# KiCad board The Typeuwu.kicad_pcb (continued)
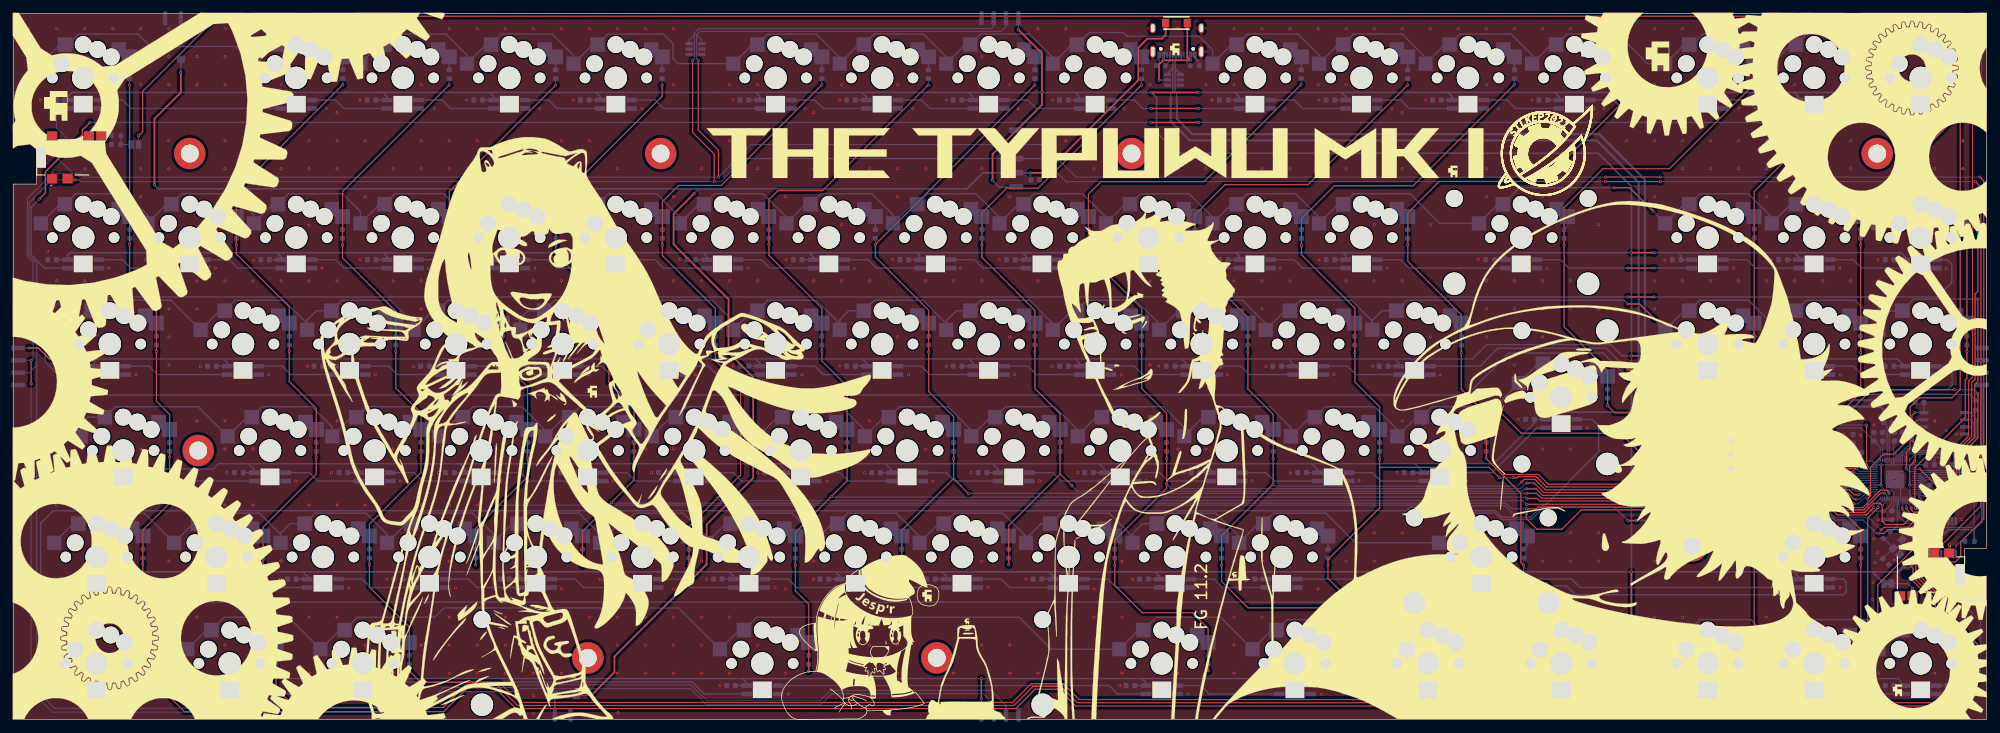
[diagram p0: board, top side]
## Routing (per net, layer and track width the routed paths; a pad name or vN(x,y) marks a point on that pad's centre or on a via; arc(x,y) is an arc through that point) (continued)
/Controller/VBUS: length 18.6
  Top w0.3: 209.8,117.65 205.25,117.65 v1(205.2,117.7) 204.4,116.9 v1(204.4,114.1) ; v1(210,117.65) 209.44,118.22 D01.2
  Bottom w0.3: v1(205.2,117.7) J1.A4 ; v1(210,117.65) J1.A9 ; v1(204.4,114.1) 205.68,114.1
GND: length 10.4
  Bottom w0.2: v1(211.3,117.6) 210.8,118.1 J1.A12 ; J1.A1 204.4,117.22 R6.2 ; v1(322.95,48.6) U203.2 v1(325.1,48.6) ; U201.19 336.65,41.85 ; 336.65,41.85 v1(335.65,42.85) ; 336.65,41.85 v1(336.9,41.6) ; v1(342.7,46.2) C12.2
  vias: v1(2.78,123.28) v1(2.78,118.28) v1(2.78,113.28) v1(2.78,108.28) v1(2.78,3.28) v1(4.85,110.55) v1(6.15,83.55) v1(7.3,25.1) v1(7.25,6.05) v1(7.78,123.28) v1(7.78,78.28) v1(7.78,58.27) v1(7.78,38.27) v1(7.78,18.28) v1(7.78,8.28) v1(9.65,63.1) v1(12,44.1) v1(12.78,123.28) v1(12.78,98.28) v1(12.78,78.28) v1(12.78,38.27) v1(12.78,3.28) v1(17.05,80.55) v1(17.25,109.05) v1(17.77,123.28) v1(17.77,98.28) v1(17.77,78.28) v1(17.77,38.27) v1(17.77,28.27) v1(17.77,8.28) v1(17.77,3.28) v1(19.5,23.55) v1(19.5,4.55) v1(21.9,61.55) v1(22.77,123.28) v1(22.77,113.28) v1(22.77,98.28) v1(22.77,93.28) v1(22.77,48.27) v1(22.77,38.27) v1(22.77,3.28) v1(23.7,82.05) v1(24.15,42.55) v1(27.77,123.28) v1(27.77,118.28) v1(27.77,113.28) v1(27.77,103.28) v1(27.77,98.28) v1(27.77,78.28) v1(27.77,73.28) v1(27.77,68.28) v1(27.77,63.27) v1(27.77,28.27) v1(27.77,18.28) v1(27.77,13.28) v1(27.77,8.28) v1(28.65,25.05) v1(31.05,6.05) v1(32.77,123.28) v1(32.77,118.28) v1(32.77,113.28) v1(32.77,78.28) v1(32.77,73.28) v1(32.77,53.27) v1(32.77,38.27) v1(32.77,28.27) v1(32.77,18.28) v1(32.77,8.28) v1(32.77,3.28) v1(33.4,63) v1(36.05,80.55) v1(37.77,123.28) v1(37.77,118.28) v1(37.77,113.28) v1(37.77,103.28) v1(37.77,98.28) v1(37.77,78.28) v1(37.77,53.27) v1(37.77,48.27) v1(37.77,38.27) v1(37.77,13.28) v1(38.1,44.05) v1(40.9,23.55) v1(42.77,123.28) v1(42.77,113.28) v1(42.8,110.55) v1(42.77,103.28) v1(42.77,93.28) v1(42.77,78.28) v1(42.77,48.27) v1(42.77,38.27) v1(42.77,23.27) v1(42.77,8.28) v1(42.77,3.28) v1(42.9,82) v1(43.3,4.55) v1(45.6,61.55) v1(47.7,25.05) v1(47.77,123.28) v1(47.77,113.28) v1(47.77,98.28) v1(47.77,78.28) v1(47.77,28.27) v1(50.4,42.55) v1(52.5,63.05) v1(52.77,123.28) v1(52.77,103.28) v1(52.77,98.28) v1(52.77,88.28) v1(52.77,78.28) v1(52.77,38.27) v1(52.77,18.28) v1(52.77,8.28) v1(52.77,3.28) v1(54.75,6.05) v1(55.05,80.55) v1(55.85,109.05) v1(56.75,44.05) v1(57.77,123.28) v1(57.77,108.28) v1(57.77,103.28) v1(57.77,98.28) v1(57.77,78.28) v1(57.77,53.27) v1(57.77,38.27) v1(57.77,18.28) v1(57.77,8.28) v1(57.77,3.28) v1(59.85,23.5) v1(61.85,110.55) v1(61.9,82.05) v1(62.77,123.28) v1(62.77,103.28) v1(62.77,93.28) v1(62.77,68.28) v1(62.77,38.27) v1(62.77,13.28) v1(64.6,61.55) v1(66.65,25.05) v1(67.05,4.55) v1(67.78,123.28) v1(67.78,98.28) v1(67.78,78.28) v1(67.78,48.27) v1(67.78,8.28) v1(67.78,3.28) v1(69.05,42.55) v1(71.45,63) v1(72.78,123.28) v1(72.78,113.28) v1(72.78,103.28) v1(72.78,98.28) v1(72.78,78.28) v1(72.78,73.28) v1(72.78,38.27) v1(72.78,13.28) v1(74.05,80.5) v1(75.1,109) v1(75.85,44.05) v1(77.78,123.28) v1(77.78,103.28) v1(77.78,98.28) v1(77.78,78.28) v1(77.78,38.27) v1(77.78,28.27) v1(77.78,18.28) v1(77.78,13.28) v1(77.78,8.28) v1(78.9,23.5) v1(80.85,82.05) v1(80.9,110.55) v1(82.78,123.28) v1(82.78,103.28) v1(82.78,93.28) v1(82.78,68.28) v1(82.78,38.27) v1(82.78,13.28) v1(82.78,8.28) v1(83.65,61.55) v1(85.65,25.05) v1(87.78,123.28) v1(87.78,98.28) v1(87.78,78.28) v1(87.78,18.28) v1(87.78,13.28) v1(87.78,8.28) v1(88.05,42.45) v1(90.5,63) v1(92.78,123.28) v1(92.78,103.28) v1(92.78,98.28) v1(92.78,78.28) v1(92.78,18.28) v1(92.78,13.28) v1(92.78,8.28) v1(92.8,4.3) v1(92.8,1) v1(93.05,80.55) v1(93.95,109.05) v1(94.8,44.05) v1(97.78,123.28) v1(97.78,103.28) v1(97.78,98.28) v1(97.78,78.28) v1(97.78,23.27) v1(97.78,18.28) v1(97.78,13.28) v1(97.78,8.28) v1(98.5,4.2) v1(99.9,110.55) v1(99.95,82.1) v1(101.1,1.1) v1(102.65,61.5) v1(102.78,123.28) v1(102.78,103.28) v1(102.78,18.28) v1(104.7,25) v1(107.05,42.55) v1(107.78,123.28) v1(107.78,98.28) v1(107.78,78.28) v1(107.78,63.27) v1(107.78,18.28) v1(107.78,13.28) v1(107.78,8.28) v1(107.9,1.2) v1(109.45,63.1) v1(112,80.55) v1(112.15,109.05) v1(112.78,123.28) v1(112.78,78.28) v1(112.78,48.27) v1(112.78,18.28) v1(112.78,13.28) v1(112.78,8.28) v1(113.85,44.05) v1(117.78,123.28) v1(117.78,113.28) v1(117.78,93.28) v1(117.78,78.28) v1(117.78,48.27) v1(117.78,23.27) v1(117.78,18.28) v1(117.78,13.28) v1(117.78,8.28) v1(118.95,82.05) v1(121.65,61.5) v1(122.78,98.28) v1(122.78,78.28) v1(122.78,28.27) v1(122.78,18.28) v1(122.78,13.28) v1(122.78,8.28) v1(123.65,25.05) v1(126.1,6.05) v1(127.78,113.28) v1(127.78,103.28) v1(127.78,78.28) v1(127.78,28.27) v1(127.78,18.28) v1(127.78,8.28) v1(128.4,110.6) v1(128.45,63.1) v1(131.05,80.55) v1(132.78,113.28) v1(132.78,98.28) v1(132.78,78.28) v1(132.78,48.27) v1(132.8,44.05) v1(132.78,13.28) v1(135.9,23.55) v1(137.78,98.28) v1(137.78,93.28) v1(137.78,23.27) v1(137.78,8.28) v1(137.9,82.05) v1(138.25,4.55) v1(140.7,61.5) v1(141.25,109) v1(142.78,108.28) v1(142.78,98.28) v1(142.78,78.28) v1(142.78,28.27) v1(142.8,25.05) v1(145.15,42.55) v1(147.45,110.55) v1(147.5,63.1) v1(147.78,113.28) v1(147.78,88.28) v1(147.78,78.28) v1(147.78,13.28) v1(147.78,8.28) v1(150,80.5) v1(151.85,44.05) v1(152.78,98.28) v1(152.78,78.28) v1(152.78,53.27) v1(152.78,13.28) v1(152.78,8.28) v1(154.9,23.55) v1(156.85,82.1) v1(157.78,113.28) v1(157.78,98.28) v1(157.78,93.28) v1(157.78,68.28) v1(157.78,13.28) v1(157.78,8.28) v1(159.7,61.55) v1(160.5,109) v1(161.7,25.05) v1(162.78,98.28) v1(162.78,78.28) v1(162.78,48.27) v1(164.05,42.55) v1(166.45,110.55) v1(166.45,63.05) v1(167.78,78.28) v1(167.78,8.28) v1(169,80.55) v1(170.85,44.05) v1(172.78,118.28) v1(172.78,98.28) v1(172.78,78.28) v1(172.78,28.27) v1(172.78,13.28) v1(173.9,23.55) v1(175.9,82.05) v1(177.78,113.28) v1(177.78,93.28) v1(177.78,68.28) v1(177.78,13.28) v1(177.78,8.28) v1(178.6,61.55) v1(179.25,108.95) v1(180.65,25.05) v1(182.78,123.28) v1(182.78,78.28) v1(182.78,8.28) v1(183.1,42.6) v1(185.35,110.55) v1(185.35,63.05) v1(187.78,123.28) v1(187.78,103.28) v1(187.78,78.28) v1(187.78,18.28) v1(187.78,8.28) v1(188.1,80.55) v1(189.9,44.05) v1(192.78,98.28) v1(192.78,78.28) v1(192.78,23.27) v1(192.78,18.28) v1(192.78,8.28) v1(194.9,82.05) v1(197.4,6.05) v1(197.7,61.55) v1(197.78,28.27) v1(197.78,18.28) v1(197.78,8.28) v1(198.15,109.05) v1(199.7,25.05) v1(202.1,42.65) v1(202.78,113.28) v1(202.78,103.28) v1(202.78,98.28) v1(202.78,78.28) v1(202.78,63.27) v1(204.35,63.1) v1(207.05,80.55) v1(207.78,123.28) v1(207.78,103.28) v1(207.78,98.28) v1(207.78,78.28) v1(207.78,48.27) v1(207.78,8.28) v1(208.85,44) v1(209.6,4.55) v1(212.78,113.28) v1(212.78,98.28) v1(212.78,48.27) v1(212.78,23.27) v1(213.85,110.55) v1(213.85,82.1) v1(216.6,61.5) v1(217.78,123.28) v1(217.78,113.28) v1(217.78,98.28) v1(217.78,78.28) v1(217.78,28.27) v1(217.78,18.28) v1(217.78,13.28) v1(217.78,8.28) v1(218.7,25.05) v1(221,42.6) v1(221,6.05) v1(222.78,123.28) v1(222.78,98.28) v1(222.78,78.28) v1(222.78,73.28) v1(222.78,28.27) v1(222.78,18.28) v1(222.78,8.28) v1(223.45,63) v1(226,80.55) v1(226.8,109) v1(227.78,123.28) v1(227.78,98.28) v1(227.78,78.28) v1(227.78,48.27) v1(227.8,44) v1(227.78,13.28) v1(232.78,123.28) v1(232.78,113.28) v1(232.78,23.27) v1(232.78,8.28) v1(232.9,110.55) v1(232.95,82) v1(233.35,4.5) v1(235.6,61.55) v1(237.78,123.28) v1(237.78,113.28) v1(237.78,98.28) v1(237.78,78.28) v1(237.78,28.27) v1(240.05,42.6) v1(242.45,63.05) v1(242.78,123.28) v1(242.78,98.28) v1(242.78,88.28) v1(242.78,78.28) v1(242.78,33.27) v1(242.78,28.27) v1(242.78,23.27) v1(242.78,8.28) v1(244.8,6.1) v1(245.05,80.55) v1(245.9,109) v1(246.85,44.1) v1(247.78,123.28) v1(247.78,108.28) v1(247.78,98.28) v1(247.78,78.28) v1(247.78,53.27) v1(247.78,33.27) v1(247.78,28.27) v1(247.78,8.28) v1(251.95,110.55) v1(252.78,123.28) v1(252.78,88.28) v1(252.78,68.28) v1(252.78,28.27) v1(252.78,13.28) v1(254.5,61.5) v1(254.7,25.05) v1(257.05,4.55) v1(257.43,98.24) v1(257.77,123.28) v1(257.77,48.27) v1(257.77,8.28) v1(259.25,42.55) v1(261.35,82.1) v1(262.77,123.28) v1(262.77,113.28) v1(262.77,98.28) v1(262.77,93.28) v1(262.77,78.28) v1(262.77,73.28) v1(262.77,68.28) v1(262.77,58.27) v1(262.77,13.28) v1(262.77,8.28) v1(264.9,109) v1(266.6,23.5) v1(267.77,123.28) v1(267.77,98.28) v1(267.77,78.28) v1(267.77,73.28) v1(267.77,63.27) v1(267.77,18.28) v1(267.77,8.28) v1(268.45,53.6) v1(268.55,6.05) v1(270.95,110.55) v1(272.77,123.28) v1(272.77,98.28) v1(272.77,93.28) v1(272.77,78.28) v1(272.77,73.28) v1(272.77,68.28) v1(272.77,48.27) v1(272.77,28.27) v1(272.77,8.28) v1(273.6,80.5) v1(277.77,123.28) v1(277.77,98.28) v1(277.77,78.28) v1(277.77,73.28) v1(277.77,48.27) v1(277.77,33.27) v1(277.77,28.27) v1(280.75,52.05) v1(280.75,4.55) v1(282.77,123.28) v1(282.77,88.28) v1(282.77,73.28) v1(282.77,33.27) v1(282.77,28.27) v1(282.77,8.28) v1(283.75,109.05) v1(287.77,123.28) v1(287.77,103.28) v1(292.77,123.28) v1(292.77,113.28) v1(292.77,103.28) v1(292.77,93.28) v1(292.77,78.28) v1(292.77,73.28) v1(292.77,63.27) v1(292.77,53.27) v1(292.77,48.27) v1(292.77,43.27) v1(292.77,33.27) v1(292.77,28.27) v1(292.77,18.28) v1(292.77,8.28) v1(294.65,82) v1(294.55,63.1) v1(294.7,110.6) v1(294.7,6.05) v1(297.77,123.28) v1(297.77,103.28) v1(297.77,98.28) v1(297.77,78.28) v1(297.77,18.28) v1(297.77,8.28) v1(300.15,44.95) v1(302.77,123.28) v1(302.77,103.28) v1(302.77,98.28) v1(302.77,78.28) v1(302.77,53.27) v1(302.77,33.27) v1(302.77,28.27) v1(302.77,13.28) v1(303.25,44.95) v1(306.85,80.55) v1(306.9,4.5) v1(307,61.55) v1(307.77,123.28) v1(307.77,103.28) v1(307.77,98.28) v1(307.77,78.28) v1(307.77,33.27) v1(307.77,28.27) v1(307.77,8.28) v1(307.85,109.1) v1(308.4,48.45) v1(312.77,123.28) v1(312.77,113.28) v1(312.77,103.28) v1(312.77,98.28) v1(312.77,93.28) v1(312.77,78.28) v1(312.77,28.27) v1(312.77,18.28) v1(312.77,8.28) v1(313.15,53.85) v1(313.65,110.55) v1(313.55,82) v1(313.7,63) v1(313.7,25.05) v1(313.7,6) v1(317.77,123.28) v1(317.77,113.28) v1(317.77,103.28) v1(317.77,98.28) v1(317.77,78.28) v1(317.77,48.27) v1(317.77,28.27) v1(317.77,18.28) v1(317.77,8.28) v1(319.6,48.4) v1(322.6,40.85) v1(322.77,123.28) v1(322.77,103.28) v1(322.77,98.28) v1(322.77,78.28) v1(325.8,80.55) v1(325.9,61.5) v1(325.85,23.6) v1(325.85,4.55) v1(326.5,50.85) v1(326.95,109.05) v1(326.95,46.1) v1(327.77,123.28) v1(327.77,103.28) v1(327.77,98.28) v1(327.77,78.28) v1(327.77,8.28) v1(329.55,50.75) v1(331.75,24.45) v1(331.7,21.35) v1(331.9,52.55) v1(331.9,32.25) v1(332.1,28) v1(332.65,110.6) v1(332.65,82.05) v1(332.55,29.75) v1(332.65,6.05) v1(332.7,63.05) v1(332.7,35.65) v1(332.77,123.28) v1(332.77,113.28) v1(332.77,78.28) v1(332.77,73.28) v1(332.77,8.28) v1(334.4,44.1) v1(334.4,41.6) v1(334.35,35.65) v1(335.5,28.45) v1(335.5,18.5) v1(336.9,44.1) v1(337.05,52.55) v1(337.77,123.28) v1(337.77,103.28) v1(337.77,78.28) v1(337.95,33.05) v1(342.77,123.28) v1(342.77,98.28) v1(342.77,88.28) v1(342.77,83.28) v1(342.77,78.28) v1(342.77,53.27) v1(342.77,8.28) v1(344.45,61.55) v1(344.5,41.85) v1(344.8,80.5) v1(344.8,51.55) v1(344.9,109.05) v1(344.85,4.55) v1(345.4,31.2) v1(346.65,50.95) v1(347.6,35.7) v1(347.77,123.28) v1(347.77,103.28) v1(347.77,98.28) v1(347.77,18.28)
/Controller/QSPI_SCLK: length 8.6
  Bottom w0.2: U201.52 336.65,47.11 337.97,48.43 338.63,48.43 339.45,49.25 339.45,51.83 339.84,52.22 U202.6
/Controller/QSPI_SD0: length 6.7
  Bottom w0.2: U202.5 340.85,50.05 338.9,48.1 338.1,48.1 337.05,47.05 U201.53
/Controller/QSPI_SD1: length 18.4
  Bottom w0.2: U202.2 349.09,53.48 349.73,52.85 349.73,50.23 347.17,47.67 339.4,47.67 339.17,47.45 338.37,47.45 337.85,46.92 U201.55
/Controller/QSPI_SD2: length 16.8
  Bottom w0.2: U202.3 349.04,52.22 349.3,51.95 349.3,50.48 346.82,48 339.26,48 339.04,47.77 338.24,47.77 337.45,46.99 U201.54
/Controller/QSPI_SD3: length 10.1
  Bottom w0.2: U201.51 336.25,47.17 337.83,48.76 338.43,48.76 338.98,49.3 338.98,52.73 339.74,53.48 U202.7
/Controller/QSPI_SS: length 24.3
  Bottom w0.2: R3.2 349.58,54.75 U202.1 349.07,54.75 350.12,53.7 350.12,49.95 345.82,45.65 R2.2 ; 347.07,46.9 346.63,47.35 339.53,47.35 339.31,47.12 339.08,47.12 U201.56
/Controller/RUN: length 39.7
  Top w0.2: v1(338,35.6) 337.2,34.8 333.95,34.8 333.4,35.35 v1(333.4,38.2) 333,38.6 331.85,38.6 330.2,36.95 326.25,36.95 v1(325.3,37.9)
  Bottom w0.2: v1(325.3,37.9) 324.5,38.7 316.15,38.7 311.55,43.3 SW2.2 ; R8.2 340.68,35.6 v1(338,35.6) ; v1(333.4,38.2) 333.85,38.65 U201.26
/Controller/SWCLK: length 35.9
  Top w0.2: v1(334.6,40.4) 334.6,40.55 334.2,40.95 333.1,40.95 329.95,37.8 327.55,37.8 326.15,39.2 v1(326.15,39.35)
  Bottom w0.2: J2.1 306.46,49.85 310.6,49.85 320.5,39.95 325.55,39.95 v1(326.15,39.35) ; v1(334.6,40.4) 334.65,40.35 U201.24
/Controller/SWD: length 35.8
  Top w0.2: v1(333.8,40.4) 333.1,40.4 330.1,37.4 326.9,37.4 v1(325.7,38.6)
  Bottom w0.2: v1(333.8,40.4) 334.25,39.95 U201.25 ; J2.3 306.45,44.8 309.95,48.3 311.25,48.3 320.24,39.31 324.99,39.31 v1(325.7,38.6)
/Controller/~{USB_BOOT}: length 37.7
  Top w0.2: v1(318.45,58.05) v1(318.45,53.8)
  Bottom w0.2: v1(318.45,58.05) 318.5,58 349.02,58 R3.1 ; SW1.2 v1(318.45,53.8)
COL1: length 495.2
  Top w0.2: v1(20.75,113.25) 20.77,113.22 v1(20.77,84.8) 20.77,79.5 25.55,74.72 v1(25.55,65.67) 25.55,56.8 27.9,54.45 v1(27.9,46.77) 27.9,38.6 23.12,33.83 v1(23.12,27.73) v1(23.12,8.83) 30.55,1.4 76.8,1.4 81.05,5.65 85.95,5.65 89.65,1.95 178.85,1.95 182.3,5.4 186.55,5.4 189.55,2.4 346.1,2.4 350.45,6.75 350.45,13.35 343.9,19.9 343.9,21.83 340.4,25.33 340.4,30.07 342.35,32.02 342.35,38.85 341.3,39.9 v1(341,39.9)
  Bottom w0.2: v1(27.9,46.77) D29.1 ; v1(23.12,27.73) 23.12,28.79 D42.1 ; D55.1 23.15,8.85 v1(23.12,8.83) ; D1.1 20.77,85.84 v1(20.77,84.8) ; U201.13 339.6,40.65 340.35,39.9 v1(341,39.9) ; v1(25.55,65.67) D15.1 ; D90.1 v1(20.75,113.25)
COL2: length 484.2
  Top w0.2: v1(341,38.75) 341.95,37.8 341.95,32.3 339.9,30.25 339.9,25.15 343.4,21.65 343.4,19.55 349.5,13.45 349.5,6.7 345.8,3 189.8,3 186.9,5.9 181.9,5.9 178.5,2.5 89.95,2.5 86.3,6.15 80.7,6.15 76.7,2.15 50.35,2.15 46.9,5.6 v1(46.9,8.75) 46.9,16.47 44.55,18.83 v1(44.55,27.67) 44.55,34.3 54.05,43.8 v1(54.05,46.77) 54.05,55.52 49.25,60.33 v1(49.25,65.72) 49.25,73.65 39.8,83.1 v1(39.8,84.67) 39.8,94.28 v1(58.8,113.28)
  Bottom w0.2: v1(341,38.75) 340.95,38.75 339.45,40.25 U201.14 ; v1(39.8,84.67) D2.1 ; v1(44.55,27.67) D43.1 ; v1(49.25,65.72) D16.1 ; v1(54.05,46.77) D30.1 ; D91.1 v1(58.8,113.28) ; v1(46.9,8.75) D56.1
COL3: length 431.4
  Top w0.2: v1(332.65,37.8) 330.8,35.95 330.8,7.85 326.5,3.55 190.15,3.55 187.32,6.38 181.58,6.38 178.25,3.05 90.3,3.05 86.7,6.65 72.7,6.65 70.65,8.7 v1(70.65,8.75) 70.65,16.53 63.55,23.62 v1(63.55,27.62) 63.55,34.88 72.75,44.08 v1(72.75,46.7) 72.75,54.65 68.25,59.15 v1(68.25,65.67) 68.25,72.85 58.75,82.35 v1(58.75,84.7) 58.75,94.22 v1(77.8,113.28)
  Bottom w0.2: D3.1 v1(58.75,84.7) ; v1(68.25,65.67) D17.1 ; D92.1 v1(77.8,113.28) ; D57.1 v1(70.65,8.75) ; U201.27 333.45,38.98 332.65,38.18 v1(332.65,37.8) ; v1(72.75,46.7) D31.1 ; v1(63.55,27.62) D44.1
COL4: length 362.4
  Top w0.2: v1(82.5,27.55) 82.5,34.1 91.75,43.35 v1(91.75,46.67) 91.75,59.4 87.3,63.85 v1(87.3,65.72) 87.3,72.95 77.8,82.45 v1(77.8,84.65) 77.8,94.22 v1(96.75,113.17) ; v1(328.35,38.48) 328.32,38.48 326.92,39.88 325.07,39.88 323.2,41.75 321.4,41.75 317.05,37.4 279.7,37.4 276.25,33.95 271.8,33.95 269.93,35.82 v1(269.93,36.75)
  Bottom w0.2: U201.30 331.54,40.65 330.89,40 330.65,40 329.13,38.48 v1(328.35,38.48) ; v1(87.3,65.72) D18.1 ; D93.1 v1(96.75,113.17) ; D32.1 v1(91.75,46.67) ; v1(269.93,36.75) 267.5,36.75 266.1,38.15 250.96,38.15 250.86,38.25 v1(86.65,38.25) ; D4.1 v1(77.8,84.65) ; D45.1 v1(82.5,27.55)
COL5: length 339.4
  Top w0.2: v1(101.55,27.45) 101.55,33.55 110.75,42.75 v1(110.75,46.52) 110.75,55.73 106.25,60.23 v1(106.25,65.6) 106.25,73.6 96.8,83.05 v1(96.8,84.62) 96.8,92.25 115.75,111.2 v1(115.75,113.2) ; v1(328.75,39.3) 328.4,39.3 327.2,40.5 325,40.5 323.2,42.3 321.15,42.3 316.75,37.9 272,37.9 271.7,37.6 v1(269.93,37.6)
  Bottom w0.2: v1(106.75,38.75) 106.9,38.6 266.25,38.6 267.25,37.6 v1(269.93,37.6) ; v1(101.55,27.45) D46.1 ; v1(96.8,84.62) D5.1 ; v1(110.75,46.52) D33.1 ; U201.31 331.47,41.05 330.97,40.55 330.6,40.55 329.35,39.3 v1(328.75,39.3) ; D94.1 v1(115.75,113.2) ; v1(106.25,65.6) D19.1
COL6: length 328.2
  Top w0.2: v1(144.25,113.28) 126.28,95.3 118.7,95.3 115.8,92.4 v1(115.8,84.7) 115.8,82.8 125.25,73.35 v1(125.25,65.6) 125.25,64.08 129.75,59.58 v1(129.75,46.65) 129.75,43.65 120.55,34.45 v1(120.55,27.55) ; v1(329.2,40.1) 328.4,40.1 327.5,41 325.1,41 323.2,42.9 320.95,42.9 316.45,38.4 v1(269.95,38.4)
  Bottom w0.2: v1(115.8,84.7) D6.1 ; v1(125.58,39.48) 126,39.05 269.3,39.05 v1(269.95,38.4) ; v1(329.2,40.1) 329.35,40.1 330.22,40.97 330.94,40.97 331.41,41.45 U201.32 ; v1(125.25,65.6) D20.1 ; D34.1 v1(129.75,46.65) ; v1(120.55,27.55) D47.1 ; D95.1 v1(144.25,113.28)
COL7: length 328.4
  Top w0.2: v1(329.45,41.5) 325.2,41.5 323.2,43.5 320.7,43.5 316.2,39 272.3,39 271.85,39.45 v1(269.97,39.45) ; v1(163.25,113.25) 144.38,94.38 136.4,94.38 134.8,92.78 v1(134.8,84.8) 134.8,82.85 144.25,73.4 v1(144.25,65.67) 144.25,64 148.75,59.5 v1(148.75,46.6) 148.75,42.6 139.53,33.38 v1(139.53,27.55) 139.53,22.92 141.9,20.55 v1(141.9,8.62)
  Bottom w0.2: U201.34 330.2,42.25 v1(329.45,41.5) ; v1(148.75,46.6) D35.1 ; v1(134.8,84.8) D7.1 ; D96.1 v1(163.25,113.25) ; v1(139.53,27.55) 139.53,28.79 D48.1 ; v1(144.25,65.67) D21.1 ; v1(269.97,39.45) 269.72,39.7 146.05,39.7 v1(145.95,39.8) ; v1(141.9,8.62) D58.1
COL8: length 282.3
  Top w0.2: v1(158.5,27.45) 158.5,33.75 167.75,43 ; v1(170.4,40.3) 169.05,41.65 169.05,41.7 167.75,43 ; v1(328.85,42.1) 325.3,42.1 323.3,44.1 320.45,44.1 315.85,39.5 272.6,39.5 271.75,40.35 v1(269.99,40.35) ; 167.75,43 v1(167.75,46.52) 167.75,54.08 163.3,58.52 v1(163.3,65.58) 163.3,73.03 153.8,82.53 v1(153.8,84.78) v1(182.25,113.22)
  Bottom w0.2: U201.35 329.4,42.65 v1(328.85,42.1) ; v1(163.3,65.58) D22.1 ; D8.1 v1(153.8,84.78) ; v1(158.5,27.45) D49.1 ; v1(170.4,40.3) 170.45,40.35 v1(269.99,40.35) ; v1(167.75,46.52) D36.1 ; D97.1 v1(182.25,113.22)
COL9: length 266.5
  Top w0.2: v1(177.57,27.62) 177.57,34.62 186.75,43.8 ; 186.75,43.8 v1(188.85,41.7) ; 186.75,43.8 v1(186.75,46.6) 186.75,54.55 182.25,59.05 v1(182.25,65.55) 182.25,73 172.8,82.45 v1(172.8,84.65) 172.8,90.42 177.2,94.83 182.82,94.83 v1(201.25,113.25) ; v1(270,41.15) 271.65,41.15 272.8,40 315.55,40 320.2,44.65 323.34,44.65 325.24,42.75 v1(328.35,42.75)
  Bottom w0.2: v1(172.8,84.65) D9.1 ; D98.1 v1(201.25,113.25) ; v1(182.25,65.55) D23.1 ; v1(186.75,46.6) D37.1 ; D50.1 177.57,28.79 v1(177.57,27.62) ; v1(328.35,42.75) 328.65,43.05 U201.36 ; v1(188.85,41.7) 189.8,40.75 269.15,40.75 269.55,41.15 v1(270,41.15)
COL10: length 290.8
  Top w0.2: v1(270.05,42.2) 271.3,42.2 273,40.5 315.25,40.5 320,45.25 323.2,45.25 325,43.45 v1(328,43.45) ; v1(229.75,113.3) 212.45,96 194.05,96 191.8,93.75 v1(191.8,84.67) 191.8,82.85 201.3,73.35 v1(201.3,65.6) 201.3,59.08 205.75,54.62 v1(205.75,46.58) v1(205.75,42) 205.75,41.25 196.5,32 v1(196.5,27.5) 196.5,23.95 201.4,19.05 210.35,19.05 213.15,16.25 v1(213.15,8.67)
  Bottom w0.2: v1(328,43.45) U201.37 ; v1(205.75,42) 206.55,41.2 268.85,41.2 269.85,42.2 v1(270.05,42.2) ; v1(213.15,8.67) D59.1 ; v1(191.8,84.67) D10.1 ; v1(196.5,27.5) D51.1 ; v1(201.3,65.6) D24.1 ; v1(205.75,46.58) D38.1 ; D99.1 v1(229.75,113.3)
COL11: length 274.4
  Top w0.2: v1(236.9,8.6) 236.9,16.58 233.55,19.92 220.28,19.92 215.55,24.65 v1(215.55,27.5) 215.55,32.8 v1(224.75,42) v1(224.75,46.5) 224.75,54.45 220.25,58.95 v1(220.25,65.62) 220.25,71.72 210.8,81.17 v1(210.8,84.7) 210.8,90.08 216.18,95.45 230.97,95.45 v1(248.75,113.22) ; v1(269.07,42.38) 269.55,42.85 271.45,42.85 273.3,41 314.95,41 319.8,45.85 323.25,45.85 324.9,44.2 v1(328.3,44.2)
  Bottom w0.2: v1(220.25,65.62) D25.1 ; v1(248.75,113.22) D100.1 ; D39.1 v1(224.75,46.5) ; v1(269.07,42.38) 268.35,41.65 225.1,41.65 v1(224.75,42) ; v1(215.55,27.5) D52.1 ; v1(236.9,8.6) D60.1 ; U201.38 328.65,43.85 v1(328.3,44.2) ; v1(210.8,84.7) D11.1
COL12: length 259.3
  Top w0.2: v1(328.8,44.75) 325.15,44.75 323.5,46.4 319.6,46.4 314.7,41.5 273.5,41.5 271.65,43.35 268.5,43.35 268.3,43.15 v1(267.6,43.15) ; 243.75,45 263.25,45 v1(265.1,43.15) ; 243.75,45 v1(243.75,46.48) 243.75,55.8 239.32,60.23 v1(239.32,65.45) 239.32,73.42 229.8,82.95 v1(229.8,84.58) 229.8,89.38 235.68,95.25 249.72,95.25 v1(267.8,113.33) ; 243.75,45 243.75,37.77 234.53,28.55 v1(234.53,27.52) 234.53,25.17 241.9,17.8 257.82,17.8 260.65,14.97 v1(260.65,8.53)
  Bottom w0.2: D26.1 239.3,65.47 v1(239.32,65.45) ; v1(260.65,8.53) D61.1 ; D53.1 234.53,28.79 v1(234.53,27.52) ; v1(265.1,43.15) v1(267.6,43.15) ; v1(243.75,46.48) D40.1 ; U201.39 329.3,44.25 v1(328.8,44.75) ; v1(267.8,113.33) D101.1 ; v1(229.8,84.58) D12.1
COL13: length 225.5
  Top w0.2: 265.57,43.73 272.07,43.73 273.8,42 314.45,42 319.35,46.9 323.95,46.9 325.4,45.45 329.3,45.45 v1(329.7,45.05) ; v1(284.43,8.58) 284.43,13.48 273.53,24.38 270.62,24.38 269.45,25.55 v1(269.45,27.5) 268.95,28 268.95,40.35 262.77,46.52 v1(262.77,46.58) 262.77,54.5 258.3,58.98 v1(258.3,65.47) 258.3,72.22 248.78,81.75 248.78,84.75 v1(248.75,84.78) 248.78,84.8 248.78,90.42 254.38,96.03 272.95,96.03 286.75,109.83 v1(286.75,113.2)
  Bottom w0.2: D102.1 v1(286.75,113.2) ; v1(248.75,84.78) D13.1 ; U201.40 330.1,44.65 v1(329.7,45.05) ; D41.1 262.77,47.84 v1(262.77,46.58) ; v1(258.3,65.47) D27.1 ; v1(284.43,8.58) 284.43,9.84 D62.1 ; v1(269.45,27.5) D54.1
COL14: length 141.7
  Top w0.2: v1(310.55,113.4) 295.45,98.3 283.6,98.3 276.65,91.35 v1(276.65,84.62) 276.65,70.08 284.4,62.33 v1(284.4,56.02) 284.4,56 285.7,54.7 v1(302.65,54.7) ; v1(330.6,45.35) v1(330.6,52.55)
  Bottom w0.2: v1(330.6,45.35) 330.9,45.05 U201.41 ; v1(330.6,52.55) 310.15,52.55 308,54.7 v1(302.65,54.7) ; v1(284.4,56.02) D28.1 ; v1(276.65,84.62) D14.1 ; D103.1 v1(310.55,113.4)
COL15: length 154.2
  Top w0.2: v1(336.95,37.8) 336.95,37.5 338.13,36.32 338.78,36.32 339.15,35.95 339.15,35.45 338,34.3 333.7,34.3 v1(333.2,33.8) ; v1(318.6,37.35) 317.8,37.35 317.3,36.85 v1(310.55,36.85) v1(310.55,8.58) ; v1(329.55,113.2) 310.55,94.2 v1(310.55,84.7) v1(310.55,65.6) v1(310.55,47.2)
  Bottom w0.2: v1(310.55,47.2) 310,46.65 310,37.4 v1(310.55,36.85) ; v1(329.55,113.2) D104.1 ; D70.1 310.55,9.81 v1(310.55,8.58) ; v1(333.2,33.8) 330.9,36.1 324.92,36.1 323.67,37.35 v1(318.6,37.35) ; v1(310.55,84.7) D63.1 ; D66.1 310.55,66.78 v1(310.55,65.6) ; U201.18 337.05,38.45 336.95,38.35 v1(336.95,37.8)
COL16: length 133.9
  Top w0.2: v1(321.4,40.5) 325.4,36.5 330.55,36.5 v1(331.85,37.8) ; v1(329.57,8.88) 329.57,27.58 v1(329.55,27.6) 329.57,27.62 329.57,33.92 327,36.5 ; v1(320.65,48.5) 320.65,49.45 329.55,58.35 v1(329.55,65.55) v1(329.55,84.65) 329.55,90.45 348.5,109.4 v1(348.5,113.12)
  Bottom w0.2: D105.1 v1(348.5,113.12) ; v1(329.55,27.6) D69.1 ; D67.1 329.55,66.78 v1(329.55,65.55) ; v1(331.85,37.8) 331.85,38.2 333.05,39.4 U201.28 ; v1(320.65,48.5) 321.05,48.1 321.05,40.85 v1(321.4,40.5) ; D71.1 329.55,8.9 v1(329.57,8.88) ; v1(329.55,84.65) D64.1
COL17: length 92.8
  Top w0.2: v1(348.57,8.6) 348.57,13.53 342.85,19.25 342.85,21.45 339.4,24.9 339.4,30.3 341.55,32.45 341.55,36.5 340.55,37.5 ; v1(348.5,84.97) v1(348.5,65.67) 348.5,60.9 348.2,60.6 348.2,53.9 339.2,44.9 339.2,38.85 340.55,37.5 ; v1(339.33,37.75) 339.58,37.5 340.55,37.5
  Bottom w0.2: U201.15 338.25,38.86 339.33,37.78 v1(339.33,37.75) ; D72.1 348.57,9.84 v1(348.57,8.6) ; v1(348.5,65.67) 348.5,66.81 D68.1 ; v1(348.5,84.97) D65.1
DIN: length 29.5
  Bottom w0.2: R14.2 349.35,6.05 350.9,7.6 350.9,17.5 346.4,22 346.4,26.74 344.55,28.59 IC1.11
DIN_3V3: length 13.4
  Top w0.2: v1(345.6,36.8) 345.6,39.2 v1(340.1,44.7)
  Bottom w0.2: v1(340.1,44.7) 340.05,44.65 U201.3 ; IC1.4 344.55,36.34 345.01,36.8 v1(345.6,36.8)
I2C0_SCL: length 810.1
  Top w0.2: v1(293.8,96.8) v1(284,96.8) ; v1(343.2,28.1) 343.2,23.3 ; 343.2,23.3 344.45,22.05 S1.4 ; 343.2,23.3 343.2,26 345.3,28.1 346.4,28.1 347.4,29.1 347.4,31.7 351.5,35.8 v1(351.5,61.9) 351.5,96.1 v1(350.8,96.8) ; v1(125.8,96.8) 125.8,101.6 122.2,105.2 v1(122.2,117.6) ; v1(6.95,103) S2.4 ; v1(3.2,64.1) v1(3.2,59.9)
  Bottom w0.2: v1(3.2,59.9) 3.2,5.1 7,1.3 73.4,1.3 77.07,4.97 80.1,4.97 80.1,4.97 89.93,4.97 90.45,5.5 120.8,5.5 123.55,2.75 144.15,2.75 146,4.6 173,4.6 174.9,2.7 J4.3 ; U74.1 122.84,121.26 121.9,122.2 ; v1(284,96.8) 189.6,96.8 183.8,102.6 131.6,102.6 v1(125.8,96.8) 12.66,96.8 11.96,97.5 7.05,97.5 2.52,92.97 2.52,82.67 3.55,81.64 3.55,64.45 v1(3.2,64.1) J6.3 ; v1(6.95,103) 6.95,101.15 10.6,97.5 ; v1(350.8,96.8) v1(293.8,96.8) ; 121.9,122.2 122.5,122.8 176.2,122.8 177.1,123.7 J5.3 ; 121.9,122.2 121.9,117.9 v1(122.2,117.6) ; R19.2 343.2,25.83 v1(343.2,28.1) 343.25,28.15 IC1.13
I2C0_SCL_3V3: length 21.3
  Bottom w0.2: IC1.2 343.25,37.83 R17.2 347.12,38.8 348.5,40.17 348.5,42.8 347.6,43.7 341,43.7 340.35,43.05 U201.7
I2C0_SDA: length 787.5
  Top w0.2: v1(11.1,96.3) 9.9,96.3 S2.3 ; v1(284,96) v1(293.82,96) ; v1(343.9,28.1) 343.9,28.4 S1.3 351,38.1 v1(351,64.1) 351,95 v1(350,96) ; v1(121.2,117.6) 121.2,104.75 125.05,100.9 v1(125.05,96)